# KiCad board The Typeuwu.kicad_pcb (continued)
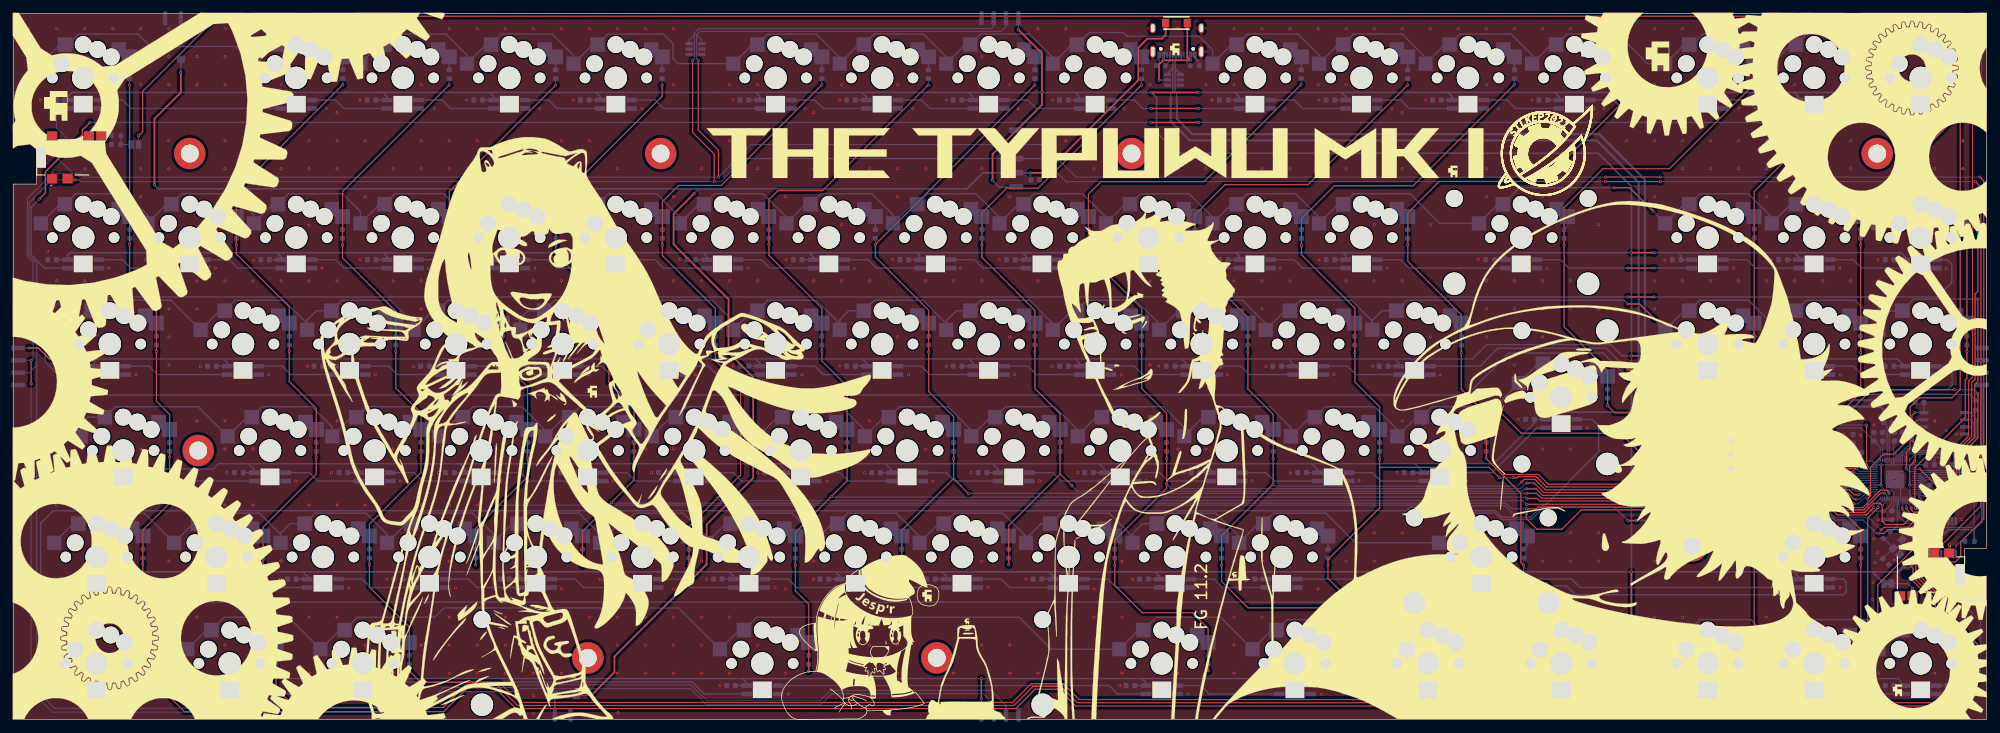
[diagram p0: board, top side]
## Library data of the parts
C1 C2 C101-C172 C190-C199 C1100-C1105 = -: Description: Unpolarized capacitor, small symbol
C3-C17 = -: Description: Unpolarized capacitor
D01 D02 D03 = -: Description: Schottky diode
D1-D72 D90-D105 = -: Description: Diode, small symbol; Sim.Device: D; Sim.Pins: 1=K 2=A
DL1 DL2 = -: Description: Light emitting diode
H1-H8 = -: Description: Mounting Hole without connection
IC1 = -: Description: Automotive 4-Bit Bidirectional Multi-Voltage Level Translator for Open-Drain or Push- Pull Interface; Height: 1.2; Manufacturer_Name: Texas Instruments; Mouser Part Number: 595-LSF0204QPWRQ1; Mouser Price/Stock: https://www.mouser.co.uk/ProductDetail/Texas-Instruments/LSF0204QPWRQ1?qs=w%2Fv1CP2dgqqt88p%2F1xId1A%3D%3D
J1 = -: Description: USB 2.0-only Type-C Receptacle connector
J2 = -: Description: Generic connector, single row, 01x03, script generated (kicad-library-utils/schlib/autogen/connector/)
J3-J6 = -: Description: Generic connector, single row, 01x04, script generated (kicad-library-utils/schlib/autogen/connector/)
J7 = -: Description: Generic connector, single row, 01x05, script generated (kicad-library-utils/schlib/autogen/connector/)
J8 J9 = -: Description: Generic connector, single row, 01x02, script generated (kicad-library-utils/schlib/autogen/connector/)
JP1 JP3 = -: Description: Solder Jumper, 2-pole, closed/bridged
JP2 JP4 = -: Description: Solder Jumper, 2-pole, open
R1-R21 = -: Description: Resistor
S1 S2 = -: Description: Phone Connectors 3.5mm Audio Jack SMT 4conductr Tip switc-1; Height: 4.15; Manufacturer_Name: CUI Inc.; Mouser Part Number: 490-SJ2-35954BSMT-TR; Mouser Price/Stock: https://www.mouser.co.uk/ProductDetail/CUI-Devices/SJ2-35954B-SMT-TR?qs=DXv0QSHKF4xFg%252BzFD15Yig%3D%3D
SW1 SW2 = -: Description: Push button switch, generic, two pins
U73 U74 = -: Description: ESD Protection Diodes with Low Clamping Voltage, SOT-23-6
U201 = -: Description: A microcontroller by Raspberry Pi
U202 = -: Description: 128Mb Serial Flash Memory, Standard/Dual/Quad SPI, SOIC-8
U203 = -: Description: 600mA low dropout linear regulator, with enable pin, 3.8V-6V input voltage range, 3.3V fixed positive output, SOT-23-5
Y1 = -: Description: Four pin crystal, GND on pins 2 and 4

## Footprints (pads in the part's own frame, mm; a bottom-side part is the same pattern mirrored in y, then rotated)
C_0603_1608Metric
  rrect 0.9x0.95 smd: 1(-0.775,0) 2(0.775,0)
CD214A-B240LR
  rect 1.27x1.47 smd: 1(-1.935,0) 2(1.935,0)
D_0603_1608Metric
  rrect 0.875x0.95 smd: 1(-0.787,0) 2(0.787,0)
Harwin_M20-89005xx_1x05_P2.54mm_Horizontal
  rect 6x0.76 smd: (3.895,5.08)
  rect 2.5x1 smd: 1(-5.525,5.08) 2(-5.525,2.54) 3(-5.525,0) 4(-5.525,-2.54) 5(-5.525,-5.08)
MountingHole_3.2mm_M3_DIN965_Pad
  round 5.6 hole 3.2: 1(0,0)
Multi Hotswap with RGB 1,5U
  round 1.9 hole 1.9 unplated: (-5.5,0) (5.5,0)
  round 3 hole 3 unplated: (-3.81,2.54) (0,5.95) (2.54,5.08) (5,3.75)
  round 3.99 hole 3.99 unplated: (0,0)
  rect 2.54x2.54 smd far side: 1(-7.56,2.54)
  rect 2.6x2.6 smd far side: 1(-3.275,5.95) 2(8.275,3.75)
  custom 4.565x3.91 smd far side: 2(6.3,5.05)
  rect 1.9x0.82 smd far side: 3(2.8,-3.95) 4(2.8,-5.45) 5(-2.8,-5.45) 6(-2.8,-3.95)
Multi Hotswap with RGB 1,25U
  round 1.9 hole 1.9 unplated: (-5.5,0) (5.5,0)
  round 3 hole 3 unplated: (-3.81,2.54) (0,5.95) (2.54,5.08) (5,3.75)
  round 3.99 hole 3.99 unplated: (0,0)
  rect 2.54x2.54 smd far side: 1(-7.56,2.54)
  rect 2.6x2.6 smd far side: 1(-3.275,5.95) 2(8.275,3.75)
  custom 4.565x3.91 smd far side: 2(6.3,5.05)
  rect 1.9x0.82 smd far side: 3(2.8,-3.95) 4(2.8,-5.45) 5(-2.8,-5.45) 6(-2.8,-3.95)
Multi Hotswap with RGB 1,75U
  round 1.9 hole 1.9 unplated: (-5.5,0) (5.5,0)
  round 3 hole 3 unplated: (-3.81,2.54) (0,5.95) (2.54,5.08) (5,3.75)
  round 3.99 hole 3.99 unplated: (0,0)
  rect 2.54x2.54 smd far side: 1(-7.56,2.54)
  rect 2.6x2.6 smd far side: 1(-3.275,5.95) 2(8.275,3.75)
  custom 4.565x3.91 smd far side: 2(6.3,5.05)
  rect 1.9x0.82 smd far side: 3(2.8,-3.95) 4(2.8,-5.45) 5(-2.8,-5.45) 6(-2.8,-3.95)
Multi Hotswap with RGB 1U
  round 1.9 hole 1.9 unplated: (-5.5,0) (5.5,0)
  round 3 hole 3 unplated: (-3.81,2.54) (0,5.95) (2.54,5.08) (5,3.75)
  round 3.99 hole 3.99 unplated: (0,0)
  rect 2.54x2.54 smd far side: 1(-7.56,2.54)
  rect 2.6x2.6 smd far side: 1(-3.275,5.95) 2(8.275,3.75)
  custom 4.565x3.91 smd far side: 2(6.3,5.05)
  rect 1.9x0.82 smd far side: 3(2.8,-3.95) 4(2.8,-5.45) 5(-2.8,-5.45) 6(-2.8,-3.95)
Multi Hotswap with RGB 2,75U
  round 1.9 hole 1.9 unplated: (-5.5,0) (5.5,0)
  round 3 hole 3 unplated: (-3.81,2.54) (0,5.95) (2.54,5.08) (5,3.75)
  round 3.99 hole 3.99 unplated: (0,0)
  rect 2.54x2.54 smd far side: 1(-7.56,2.54)
  rect 2.6x2.6 smd far side: 1(-3.275,5.95) 2(8.275,3.75)
  custom 4.565x3.91 smd far side: 2(6.3,5.05)
  rect 1.9x0.82 smd far side: 3(2.8,-3.95) 4(2.8,-5.45) 5(-2.8,-5.45) 6(-2.8,-3.95)
Multi Hotswap with RGB 2U
  round 1.9 hole 1.9 unplated: (-5.5,0) (5.5,0)
  round 3 hole 3 unplated: (-3.81,2.54) (0,5.95) (2.54,5.08) (5,3.75)
  round 3.99 hole 3.99 unplated: (0,0)
  rect 2.54x2.54 smd far side: 1(-7.56,2.54)
  rect 2.6x2.6 smd far side: 1(-3.275,5.95) 2(8.275,3.75)
  custom 4.565x3.91 smd far side: 2(6.3,5.05)
  rect 1.9x0.82 smd far side: 3(2.8,-3.95) 4(2.8,-5.45) 5(-2.8,-5.45) 6(-2.8,-3.95)
Multi Hotswap with RGB 6,25U
  round 1.9 hole 1.9 unplated: (-5.5,0) (5.5,0)
  round 3 hole 3 unplated: (-3.81,2.54) (0,5.95) (2.54,5.08) (5,3.75)
  round 3.99 hole 3.99 unplated: (0,0)
  rect 2.54x2.54 smd far side: 1(-7.56,2.54)
  rect 2.6x2.6 smd far side: 1(-3.275,5.95) 2(8.275,3.75)
  custom 4.565x3.91 smd far side: 2(6.3,5.05)
  rect 1.9x0.82 smd far side: 3(2.8,-3.95) 4(2.8,-5.45) 5(-2.8,-5.45) 6(-2.8,-3.95)
Multi Hotswap with RGB ISO Enter
  round 3.05 hole 3.05 unplated: (-7,11.9) (-7,-11.9)
  round 1.9 hole 1.9 unplated: (-5.5,0) (5.5,0)
  round 3 hole 3 unplated: (-3.81,2.54) (0,5.95) (2.54,5.08) (5,3.75)
  round 4 hole 4 unplated: (0,0) (8.24,11.9) (8.24,-11.9)
  rect 2.54x2.54 smd far side: 1(-7.56,2.54)
  rect 2.6x2.6 smd far side: 1(-3.275,5.95) 2(8.275,3.75)
  custom 4.565x3.91 smd far side: 2(6.3,5.05)
  rect 1.9x0.82 smd far side: 3(2.8,-3.95) 4(2.8,-5.45) 5(-2.8,-5.45) 6(-2.8,-3.95)
NX3225SA12MHZSTDCSR3
  rect 1.4x1.2 smd: 1(-1.1,-0.8) 2(1.1,-0.8) 3(1.1,0.8) 4(-1.1,0.8)
PinHeader_1x03_P2.54mm_Vertical
  rect 1.7x1.7 hole 1: 1(0,0)
  oval 1.7x1.7 hole 1: 2(0,-2.54) 3(0,-5.08)
POGO Magnetic 2 Pin 2,8mm Horizontal
  rrect 2.5x0.8 smd: 1(-0.5,-1.4) 2(-0.5,1.4)
POGO Magnetic 4 Pin 2,2mm Horizontal
  rrect 2.5x0.8 smd: 1(0.25,-3.3) 2(0.25,-1.1) 3(0.25,1.1) 4(0.25,3.3)
PTS636SP50SMTRLFS
  rect 2x1.5 smd: 1(-4.1,0) 2(4.1,0)
QFN-56-1EP_7x7mm_P0.4mm_EP3.2x3.2mm
  rrect 1.29x1.29 smd: (-0.8,-0.8) (-0.8,0.8) (0.8,-0.8) (0.8,0.8)
  rrect 0.875x0.2 smd: 1(-3.438,2.6) 2(-3.438,2.2) 3(-3.438,1.8) 4(-3.438,1.4) 5(-3.438,1) 6(-3.438,0.6) 7(-3.438,0.2) 8(-3.438,-0.2) 9(-3.438,-0.6) 10(-3.438,-1) 11(-3.438,-1.4) 12(-3.438,-1.8) 13(-3.438,-2.2) 14(-3.438,-2.6) 29(3.438,-2.6) 30(3.438,-2.2) 31(3.438,-1.8) 32(3.438,-1.4) 33(3.438,-1) 34(3.438,-0.6) 35(3.438,-0.2) 36(3.438,0.2) 37(3.438,0.6) 38(3.438,1) 39(3.438,1.4) 40(3.438,1.8) 41(3.438,2.2) 42(3.438,2.6)
  rrect 0.2x0.875 smd: 15(-2.6,-3.438) 16(-2.2,-3.438) 17(-1.8,-3.438) 18(-1.4,-3.438) 19(-1,-3.438) 20(-0.6,-3.438) 21(-0.2,-3.438) 22(0.2,-3.438) 23(0.6,-3.438) 24(1,-3.438) 25(1.4,-3.438) 26(1.8,-3.438) 27(2.2,-3.438) 28(2.6,-3.438) 43(2.6,3.438) 44(2.2,3.438) 45(1.8,3.438) 46(1.4,3.438) 47(1,3.438) 48(0.6,3.438) 49(0.2,3.438) 50(-0.2,3.438) 51(-0.6,3.438) 52(-1,3.438) 53(-1.4,3.438) 54(-1.8,3.438) 55(-2.2,3.438) 56(-2.6,3.438)
  rect 3.2x3.2 smd: 57(0,0)
R_0603_1608Metric
  rrect 0.8x0.95 smd: 1(-0.825,0) 2(0.825,0)
SJ235954BSMTTR
  round 0.001 hole 1.3 unplated: (5.35,0)
  rect 1.8x1.65 smd: 1(-2.45,-3.825) 2(4.1,3.825) 3(0.3,-3.825) 4(-2.45,3.825) 10(6.3,3.825)
SOIC-8_5.23x5.23mm_P1.27mm
  rrect 1.6x0.6 smd: 1(-3.6,1.905) 2(-3.6,0.635) 3(-3.6,-0.635) 4(-3.6,-1.905) 5(3.6,-1.905) 6(3.6,-0.635) 7(3.6,0.635) 8(3.6,1.905)
SolderJumper-2_P1.3mm_Bridged_Pad1.0x1.5mm
  rect 1x1.5 smd: 1(-0.65,0) 2(0.65,0)
SolderJumper-2_P1.3mm_Open_Pad1.0x1.5mm
  rect 1x1.5 smd: 1(-0.65,0) 2(0.65,0)
SOP65P640X120-14N
  rect 1.475x0.45 smd: 1(-2.938,1.95) 2(-2.938,1.3) 3(-2.938,0.65) 4(-2.938,0) 5(-2.938,-0.65) 6(-2.938,-1.3) 7(-2.938,-1.95) 8(2.938,-1.95) 9(2.938,-1.3) 10(2.938,-0.65) 11(2.938,0) 12(2.938,0.65) 13(2.938,1.3) 14(2.938,1.95)
SOT-23-5
  rrect 1.325x0.6 smd: 1(-1.137,0.95) 2(-1.137,0) 3(-1.137,-0.95) 4(1.137,-0.95) 5(1.137,0.95)
SOT-23-6
  rrect 1.325x0.6 smd: 1(-1.137,0.95) 2(-1.137,0) 3(-1.137,-0.95) 4(1.137,-0.95) 5(1.137,0) 6(1.137,0.95)
Stabilizer_Cherry_MX_2.00u
  round 3.048 hole 3.048 unplated: (-11.938,6.985) (11.938,6.985)
  round 3.988 hole 3.988 unplated: (-11.938,-8.225) (11.938,-8.225)
Stabilizer_Cherry_MX_6.25u
  round 3.048 hole 3.048 unplated: (-50,6.985) (50,6.985)
  round 3.988 hole 3.988 unplated: (-50,-8.225) (50,-8.225)
USB_C_Receptacle_GCT_USB4105-xx-A_16P_TopMnt_Horizontal
  round 0.65 hole 0.65 unplated: (-2.89,2.605) (2.89,2.605)
  rect 0.6x1.15 smd: A1(-3.2,3.68) A4(-2.4,3.68) A9(2.4,3.68) A12(3.2,3.68) B1(3.2,3.68) B4(2.4,3.68) B9(-2.4,3.68) B12(-3.2,3.68)
  rect 0.3x1.15 smd: A5(-1.25,3.68) A6(-0.25,3.68) A7(0.25,3.68) A8(1.25,3.68) B5(1.75,3.68) B6(0.75,3.68) B7(-0.75,3.68) B8(-1.75,3.68)
  oval 1x1.8 hole 0.6x1.4: S1(-4.32,-1.075) S1(4.32,-1.075)
  oval 1x2.1 hole 0.6x1.7: S1(-4.32,3.105) S1(4.32,3.105)

## Nets
5V_USB: C15.1 D01.1 D02.1 D03.1 J7.4
+1V1: C3.1 C4.1 C5.1 U201.23 U201.45 U201.50
+3V3: C6.1 C7.1 C8.1 C9.1 C10.1 C11.1 C12.1 C13.1 C14.1 C16.1 DL2.2 IC1.1 R2.1 R8.1 R17.1 R18.1 U201.1 U201.10 U201.22 U201.33 U201.42 U201.43 U201.44 U201.48 U201.49 U202.8 U203.5
+5V: C17.1 C101.1 C102.1 C103.1 C104.1 C105.1 C106.1 C107.1 C108.1 C109.1 C110.1 C111.1 C112.1 C113.1 C114.1 C115.1 C116.1 C117.1 C118.1 C119.1 C120.1 C121.1 C122.1 C123.1 C124.1 C125.1 C126.1 C127.1 C128.1 C129.1 C130.1 C131.1 C132.1 C133.1 C134.1 C135.1 C136.1 C137.1 C138.1 C139.1 C140.1 C141.1 C142.1 C143.1 C144.1 C145.1 C146.1 C147.1 C148.1 C149.1 C150.1 C151.1 C152.1 C153.1 C154.1 C155.1 C156.1 C157.1 C158.1 C159.1 C160.1 C161.1 C162.1 C163.1 C164.1 C165.1 C166.1 C167.1 C168.1 C169.1 C170.1 C171.1 C172.1 C190.1 C191.1 C192.1 C193.1 C194.1 C195.1 C196.1 C197.1 C198.1 C199.1 C1100.1 C1101.1 C1102.1 C1103.1 C1104.1 C1105.1 DL1.2 IC1.14 J3.4 J4.4 J5.4 J6.4 J7.5 JP1.2 JP3.2 R9.1 R19.1 R20.1 R21.1 U1.6 U2.6 U3.6 U4.6 U5.6 U6.6 U7.6 U8.6 U9.6 U10.6 U11.6 U12.6 U13.6 U14.6 U15.6 U16.6 U17.6 U18.6 U19.6 U20.6 U21.6 U22.6 U23.6 U24.6 U25.6 U26.6 U27.6 U28.6 U29.6 U30.6 U31.6 U32.6 U33.6 U34.6 U35.6 U36.6 U37.6 U38.6 U39.6 U40.6 U41.6 U42.6 U43.6 U44.6 U45.6 U46.6 U47.6 U48.6 U49.6 U50.6 U51.6 U52.6 U53.6 U54.6 U55.6 U56.6 U57.6 U58.6 U59.6 U60.6 U61.6 U62.6 U63.6 U64.6 U65.6 U66.6 U67.6 U68.6 U69.6 U70.6 U71.6 U72.6 U90.6 U91.6 U92.6 U93.6 U94.6 U95.6 U96.6 U97.6 U98.6 U99.6 U100.6 U101.6 U102.6 U103.6 U104.6 U105.6 U203.1
/Controller/VBUS: D01.2 J1.A4 J1.A9 J1.B4 J1.B9 U73.5
GND: C1.1 C2.1 C3.2 C4.2 C5.2 C6.2 C7.2 C8.2 C9.2 C10.2 C11.2 C12.2 C13.2 C14.2 C15.2 C16.2 C17.2 C101.2 C102.2 C103.2 C104.2 C105.2 C106.2 C107.2 C108.2 C109.2 C110.2 C111.2 C112.2 C113.2 C114.2 C115.2 C116.2 C117.2 C118.2 C119.2 C120.2 C121.2 C122.2 C123.2 C124.2 C125.2 C126.2 C127.2 C128.2 C129.2 C130.2 C131.2 C132.2 C133.2 C134.2 C135.2 C136.2 C137.2 C138.2 C139.2 C140.2 C141.2 C142.2 C143.2 C144.2 C145.2 C146.2 C147.2 C148.2 C149.2 C150.2 C151.2 C152.2 C153.2 C154.2 C155.2 C156.2 C157.2 C158.2 C159.2 C160.2 C161.2 C162.2 C163.2 C164.2 C165.2 C166.2 C167.2 C168.2 C169.2 C170.2 C171.2 C172.2 C190.2 C191.2 C192.2 C193.2 C194.2 C195.2 C196.2 C197.2 C198.2 C199.2 C1100.2 C1101.2 C1102.2 C1103.2 C1104.2 C1105.2 IC1.7 J1.A1 J1.A12 J1.B1 J1.B12 J1.S1 J2.2 J3.1 J4.1 J5.1 J6.1 J7.1 J8.1 J9.1 R6.2 R7.2 R10.2 R11.2 R13.1 R16.1 S1.1 S2.1 SW1.1 SW2.1 U1.4 U2.4 U3.4 U4.4 U5.4 U6.4 U7.4 U8.4 U9.4 U10.4 U11.4 U12.4 U13.4 U14.4 U15.4 U16.4 U17.4 U18.4 U19.4 U20.4 U21.4 U22.4 U23.4 U24.4 U25.4 U26.4 U27.4 U28.4 U29.4 U30.4 U31.4 U32.4 U33.4 U34.4 U35.4 U36.4 U37.4 U38.4 U39.4 U40.4 U41.4 U42.4 U43.4 U44.4 U45.4 U46.4 U47.4 U48.4 U49.4 U50.4 U51.4 U52.4 U53.4 U54.4 U55.4 U56.4 U57.4 U58.4 U59.4 U60.4 U61.4 U62.4 U63.4 U64.4 U65.4 U66.4 U67.4 U68.4 U69.4 U70.4 U71.4 U72.4 U73.2 U90.4 U91.4 U92.4 U93.4 U94.4 U95.4 U96.4 U97.4 U98.4 U99.4 U100.4 U101.4 U102.4 U103.4 U104.4 U105.4 U201.19 U201.57 U202.4 U203.2 Y1.2 Y1.4
/Controller/QSPI_SCLK: U201.52 U202.6
/Controller/QSPI_SD0: U201.53 U202.5
/Controller/QSPI_SD1: U201.55 U202.2
/Controller/QSPI_SD2: U201.54 U202.3
/Controller/QSPI_SD3: U201.51 U202.7
/Controller/QSPI_SS: R2.2 R3.2 U201.56 U202.1
/Controller/RUN: R8.2 SW2.2 U201.26
/Controller/SWCLK: J2.1 U201.24
/Controller/SWD: J2.3 U201.25
/Controller/~{USB_BOOT}: R3.1 SW1.2
COL1: D1.1 D15.1 D29.1 D42.1 D55.1 D90.1 U201.13
COL2: D2.1 D16.1 D30.1 D43.1 D56.1 D91.1 U201.14
COL3: D3.1 D17.1 D31.1 D44.1 D57.1 D92.1 U201.27
COL4: D4.1 D18.1 D32.1 D45.1 D93.1 U201.30
COL5: D5.1 D19.1 D33.1 D46.1 D94.1 U201.31
COL6: D6.1 D20.1 D34.1 D47.1 D95.1 U201.32
COL7: D7.1 D21.1 D35.1 D48.1 D58.1 D96.1 U201.34
COL8: D8.1 D22.1 D36.1 D49.1 D97.1 U201.35
COL9: D9.1 D23.1 D37.1 D50.1 D98.1 U201.36
COL10: D10.1 D24.1 D38.1 D51.1 D59.1 D99.1 U201.37
COL11: D11.1 D25.1 D39.1 D52.1 D60.1 D100.1 U201.38
COL12: D12.1 D26.1 D40.1 D53.1 D61.1 D101.1 U201.39
COL13: D13.1 D27.1 D41.1 D54.1 D62.1 D102.1 U201.40
COL14: D14.1 D28.1 D103.1 U201.41
COL15: D63.1 D66.1 D70.1 D104.1 U201.18
COL16: D64.1 D67.1 D69.1 D71.1 D105.1 U201.28
COL17: D65.1 D68.1 D72.1 U201.15
DIN: IC1.11 R14.2
DIN_3V3: IC1.4 U201.3
I2C0_SCL: IC1.13 J3.3 J4.3 J5.3 J6.3 J7.2 R19.2 S1.4 S2.4 U74.1
I2C0_SCL_3V3: IC1.2 R17.2 U201.7
I2C0_SDA: IC1.12 J3.2 J4.2 J5.2 J6.2 J7.3 R20.2 S1.3 S2.3 U74.6
I2C0_SDA_3V3: IC1.3 R18.2 U201.6
OUT1_FLAG: JP2.2 U201.5
OUT2_FLAG: JP4.2 U201.4
ROW1: U90.1 U91.1 U92.1 U93.1 U94.1 U95.1 U96.1 U97.1 U98.1 U99.1 U100.1 U101.1 U102.1 U103.1 U104.1 U105.1 U201.8
ROW2: U1.1 U2.1 U3.1 U4.1 U5.1 U6.1 U7.1 U8.1 U9.1 U10.1 U11.1 U12.1 U13.1 U14.1 U63.1 U64.1 U65.1 U201.9
ROW3: U15.1 U16.1 U17.1 U18.1 U19.1 U20.1 U21.1 U22.1 U23.1 U24.1 U25.1 U26.1 U27.1 U66.1 U67.1 U68.1 U201.11
ROW4: U28.1 U29.1 U30.1 U31.1 U32.1 U33.1 U34.1 U35.1 U36.1 U37.1 U38.1 U39.1 U40.1 U41.1 U201.12
ROW5: U42.1 U43.1 U44.1 U45.1 U46.1 U47.1 U48.1 U49.1 U50.1 U51.1 U52.1 U53.1 U54.1 U69.1 U201.17
ROW6: U55.1 U56.1 U57.1 U58.1 U59.1 U60.1 U61.1 U62.1 U70.1 U71.1 U72.1 U201.16
USBD+: J1.A6 J1.B6 R4.1 U73.1
USBD-: J1.A7 J1.B7 R5.1 U73.6
Net-(C1-Pad2): C1.2 R1.1 Y1.1
Net-(D1-A): D1.2 U1.2
Net-(D2-A): D2.2 U2.2
Net-(D02-A): D02.2 J8.2
Net-(D3-A): D3.2 U3.2
Net-(D03-A): D03.2 J9.2
Net-(D4-A): D4.2 U4.2
Net-(D5-A): D5.2 U5.2
Net-(D6-A): D6.2 U6.2
Net-(D7-A): D7.2 U7.2
Net-(D8-A): D8.2 U8.2
Net-(D9-A): D9.2 U9.2
Net-(D10-A): D10.2 U10.2
Net-(D11-A): D11.2 U11.2
Net-(D12-A): D12.2 U12.2
Net-(D13-A): D13.2 U13.2
Net-(D14-A): D14.2 U14.2
Net-(D15-A): D15.2 U15.2
Net-(D16-A): D16.2 U16.2
Net-(D17-A): D17.2 U17.2
Net-(D18-A): D18.2 U18.2
Net-(D19-A): D19.2 U19.2
Net-(D20-A): D20.2 U20.2
Net-(D21-A): D21.2 U21.2
Net-(D22-A): D22.2 U22.2
Net-(D23-A): D23.2 U23.2
Net-(D24-A): D24.2 U24.2
Net-(D25-A): D25.2 U25.2
Net-(D26-A): D26.2 U26.2
Net-(D27-A): D27.2 U27.2
Net-(D28-A): D28.2 U28.2
Net-(D29-A): D29.2 U29.2
Net-(D30-A): D30.2 U30.2
Net-(D31-A): D31.2 U31.2
Net-(D32-A): D32.2 U32.2
Net-(D33-A): D33.2 U33.2
Net-(D34-A): D34.2 U34.2
Net-(D35-A): D35.2 U35.2
Net-(D36-A): D36.2 U36.2
Net-(D37-A): D37.2 U37.2
Net-(D38-A): D38.2 U38.2
Net-(D39-A): D39.2 U39.2
Net-(D40-A): D40.2 U40.2
Net-(D41-A): D41.2 U41.2
Net-(D42-A): D42.2 U42.2
Net-(D43-A): D43.2 U43.2
Net-(D44-A): D44.2 U44.2
Net-(D45-A): D45.2 U45.2
Net-(D46-A): D46.2 U46.2
Net-(D47-A): D47.2 U47.2
Net-(D48-A): D48.2 U48.2
Net-(D49-A): D49.2 U49.2
Net-(D50-A): D50.2 U50.2
Net-(D51-A): D51.2 U51.2
Net-(D52-A): D52.2 U52.2
Net-(D53-A): D53.2 U53.2
Net-(D54-A): D54.2 U54.2
Net-(D55-A): D55.2 U55.2
Net-(D56-A): D56.2 U56.2
Net-(D57-A): D57.2 U57.2
Net-(D58-A): D58.2 U58.2
Net-(D59-A): D59.2 U59.2
Net-(D60-A): D60.2 U60.2
Net-(D61-A): D61.2 U61.2
Net-(D62-A): D62.2 U62.2
Net-(D63-A): D63.2 U63.2
Net-(D64-A): D64.2 U64.2
Net-(D65-A): D65.2 U65.2
Net-(D66-A): D66.2 U66.2
Net-(D67-A): D67.2 U67.2
Net-(D68-A): D68.2 U68.2
Net-(D69-A): D69.2 U69.2
Net-(D70-A): D70.2 U70.2
Net-(D71-A): D71.2 U71.2
Net-(D72-A): D72.2 U72.2
Net-(D90-A): D90.2 U90.2
Net-(D91-A): D91.2 U91.2
Net-(D92-A): D92.2 U92.2
Net-(D93-A): D93.2 U93.2
Net-(D94-A): D94.2 U94.2
Net-(D95-A): D95.2 U95.2
Net-(D96-A): D96.2 U96.2
Net-(D97-A): D97.2 U97.2
Net-(D98-A): D98.2 U98.2
Net-(D99-A): D99.2 U99.2
Net-(D100-A): D100.2 U100.2
Net-(D101-A): D101.2 U101.2
Net-(D102-A): D102.2 U102.2
Net-(D103-A): D103.2 U103.2
Net-(D104-A): D104.2 U104.2
Net-(D105-A): D105.2 U105.2
Net-(DL1-K): DL1.1 R10.1
Net-(DL2-K): DL2.1 R11.1
Net-(IC1-EN): IC1.8 R21.2
Net-(J1-CC1): J1.A5 R6.1
Net-(J1-CC2): J1.B5 R7.1
Net-(JP1-A): JP1.1 S1.2
Net-(JP2-A): JP2.1 R12.2 R13.2
Net-(JP3-A): JP3.1 S2.2
Net-(JP4-A): JP4.1 R15.2 R16.2
Net-(S1-TIP_SWITCH): R12.1 S1.10
Net-(S2-TIP_SWITCH): R15.1 S2.10
Net-(U1-Din): U1.3 U2.5
Net-(U1-Dout): U1.5 U105.3
Net-(U2-Din): U2.3 U3.5
Net-(U3-Din): U3.3 U4.5
Net-(U4-Din): U4.3 U5.5
Net-(U5-Din): U5.3 U6.5
Net-(U6-Din): U6.3 U7.5
Net-(U7-Din): U7.3 U8.5
Net-(U8-Din): U8.3 U9.5
Net-(U10-Din): U10.3 U11.5
Net-(U10-Dout): U9.3 U10.5
Net-(U11-Din): U11.3 U12.5
Net-(U12-Din): U12.3 U13.5
Net-(U13-Din): U13.3 U14.5
Net-(U14-Din): U14.3 U63.5
Net-(U15-Din): U15.3 U16.5
Net-(U15-Dout): U15.5 U65.3
Net-(U16-Din): U16.3 U17.5
Net-(U17-Din): U17.3 U18.5
Net-(U18-Din): U18.3 U19.5
Net-(U19-Din): U19.3 U20.5
Net-(U20-Din): U20.3 U21.5
Net-(U21-Din): U21.3 U22.5
Net-(U22-Din): U22.3 U23.5
Net-(U23-Din): U23.3 U24.5
Net-(U24-Din): U24.3 U25.5
Net-(U25-Din): U25.3 U26.5
Net-(U26-Din): U26.3 U27.5
Net-(U27-Din): U27.3 U66.5
Net-(U28-Din): U28.3 U42.5
Net-(U28-Dout): U28.5 U41.3
Net-(U29-Din): U29.3 U30.5
Net-(U29-Dout): U29.5 U68.3
Net-(U30-Din): U30.3 U31.5
Net-(U31-Din): U31.3 U32.5
Net-(U32-Din): U32.3 U33.5
Net-(U33-Din): U33.3 U34.5
Net-(U34-Din): U34.3 U35.5
Net-(U35-Din): U35.3 U36.5
Net-(U36-Din): U36.3 U37.5
Net-(U37-Din): U37.3 U38.5
Net-(U38-Din): U38.3 U39.5
Net-(U39-Din): U39.3 U40.5
Net-(U40-Din): U40.3 U41.5
Net-(U42-Din): U42.3 U43.5
Net-(U43-Din): U43.3 U44.5
Net-(U44-Din): U44.3 U45.5
Net-(U45-Din): U45.3 U46.5
Net-(U46-Din): U46.3 U47.5
Net-(U47-Din): U47.3 U48.5
Net-(U48-Din): U48.3 U49.5
Net-(U49-Din): U49.3 U50.5
Net-(U50-Din): U50.3 U51.5
Net-(U51-Din): U51.3 U52.5
Net-(U52-Din): U52.3 U53.5
Net-(U53-Din): U53.3 U54.5
Net-(U54-Din): U54.3 U69.5
Net-(U55-Din): U55.3 U56.5
Net-(U55-Dout): U55.5 U69.3
Net-(U56-Din): U56.3 U57.5
Net-(U57-Din): U57.3 U58.5
Net-(U58-Din): U58.3 U59.5
Net-(U59-Din): U59.3 U60.5
Net-(U60-Din): U60.3 U61.5
Net-(U61-Din): U61.3 U62.5
Net-(U62-Din): U62.3 U70.5
Net-(U63-Din): U63.3 U64.5
Net-(U64-Din): U64.3 U65.5
Net-(U66-Din): U66.3 U67.5
Net-(U67-Din): U67.3 U68.5
Net-(U70-Din): U70.3 U71.5
Net-(U71-Din): U71.3 U72.5
Net-(U72-Din): R14.1 U72.3
Net-(U90-Din): U90.3 U91.5
Net-(U91-Din): U91.3 U92.5
Net-(U92-Din): U92.3 U93.5
Net-(U93-Din): U93.3 U94.5
Net-(U94-Din): U94.3 U95.5
Net-(U95-Din): U95.3 U96.5
Net-(U96-Din): U96.3 U97.5
Net-(U97-Din): U97.3 U98.5
Net-(U98-Din): U98.3 U99.5
Net-(U100-Din): U100.3 U101.5
Net-(U100-Dout): U99.3 U100.5
Net-(U101-Din): U101.3 U102.5
Net-(U102-Din): U102.3 U103.5
Net-(U103-Din): U103.3 U104.5
Net-(U104-Din): U104.3 U105.5
Net-(U201-USB_DM): R5.2 U201.46
Net-(U201-USB_DP): R4.2 U201.47
Net-(U201-XIN): C2.2 U201.20 Y1.3
Net-(U201-XOUT): R1.2 U201.21
Net-(U203-EN): R9.2 U203.3

Pads without a net: H1 1; H2 1; H3 1; H4 1; H5 1; H6 1; H7 1; H8 1; IC1 5 6 9 10; J1 A8 B8; U73 3 4; U74 2 3 4 5; U90 5; U201 2 29; U203 4

## Via types
v1: diameter 0.5, hole 0.3, Top to Bottom, 888 vias

## Routing (per net, layer and track width the routed paths; a pad name or vN(x,y) marks a point on that pad's centre or on a via; arc(x,y) is an arc through that point)
5V_USB: length 336
  Top w0.3: D01.1 205.56,122.16 204.9,121.5 202.3,121.5 200.7,119.9 200.7,114.1 184.16,97.56 v1(181.46,97.56) ; v1(29.9,115.5) 29.9,111.9 25.2,107.2 v1(25.2,95.4) ; v1(121.5,93.9) 117.8,90.2 117.8,84.8 127.6,75 127.6,65.5 132,61.1 132,43.1 123.7,34.8 123.7,27.7 107.25,11.25 107.25,8.45 v1(103.1,4.3)
  Bottom w0.2: D03.1 v1(103.1,4.3)
  Bottom w0.3: C15.1 181.46,96.36 v1(181.46,97.56) J7.4 172.96,97.56 170.1,94.7 25.9,94.7 v1(25.2,95.4) ; D02.1 v1(29.9,115.5) ; v1(121.5,93.9) 122.3,94.7
+1V1: length 30
  Top w0.2: v1(330.8,39.43) 331.3,39.93 331.3,45 v1(333.65,47.35) 335.45,47.35 v1(337.8,49.7)
  Bottom w0.2: v1(337.8,49.7) C4.1 337.05,48.98 335.85,47.77 U201.50 ; C3.1 333.48,47.52 333.85,47.15 U201.45 ; U201.23 335.05,38.45 333.8,37.2 C5.1 331.45,37.2 330.8,37.85 v1(330.8,39.43)
+3V3: length 117.7
  Top w0.2: v1(333.2,45.45) 333.2,41.88 v1(333.18,41.85) ; v1(298.5,50.8) v1(298.5,52.05) ; v1(338.3,41.85) 338.3,45.25 v1(339.1,46.05) 339.25,46.2 339.25,49.2 338.7,49.75 338.7,54.25 v1(339.23,54.77)
  Bottom w0.2: C16.1 329.73,46.12 331.57,46.12 332.21,45.49 U201.42 ; U201.42 U201.43 ; U201.42 v1(333.2,45.45) 335.25,45.45 ; U201.43 U201.44 ; U201.43 333.05,48.55 C6.1 329.58,52.02 310.5,52.02 310.47,52.05 v1(298.5,52.05) ; U201.1 C12.1 341.15,46.15 341.8,46.8 343.6,46.8 344.18,46.23 R2.1 ; U201.1 339.1,45.46 v1(339.1,46.05) ; U201.1 335.25,45.45 ; C9.1 335.45,49.6 U201.49 335.45,45.65 335.25,45.45 ; 335.25,45.45 335.05,45.65 U201.48 ; v1(339.23,54.77) 340.83,54.77 U202.8 340.82,54.78 C14.1 ; C11.1 U201.10 v1(338.3,41.85) 338.3,40.19 340.7,37.79 R8.1 342.5,37.27 R18.1 ; R18.1 R17.1 ; R18.1 342.6,37.17 IC1.1 ; C8.1 335.12,37.83 335.45,38.15 U201.22 335.45,40.45 335,40.9 333.9,40.9 333.18,41.62 v1(333.18,41.85) U201.33 331.35,41.85 330.8,41.3 330.09,41.3 329.49,40.7 328.88,40.7 C13.1 ; v1(298.5,50.8) DL2.2
  Bottom w0.25: C16.1 328.18,49.3 ; U203.5 328.15,47.65
+5V: length 2569.1
  Top w0.25: v1(13.55,64.35) 6.45,64.35 4.5,66.3 v1(2.8,66.3) ; v1(288.65,64.9) v1(292.75,64.9) ; v1(172.7,7.3) v1(172.7,3.7)
  Top w0.3: v1(288.65,26.35) v1(288.65,7.35) ; v1(288.65,83.3) v1(292.75,83.3) ; v1(174.7,96.2) 174.7,100.87 183.5,109.67 v1(183.5,111.9) 183.5,118.9 v1(179.3,123.1) ; v1(211.4,111.9) v1(203.05,111.9)
  Bottom w0.2: JP3.2 7.72,105.58 7.72,110.55
  Bottom w0.25: 10.07,6.05 U55.6 12.07,6.58 12.8,7.3 35.12,7.3 ; C131.1 U31.6 61.67,44.56 60.6,45.63 ; 248.82,7.3 272.52,7.3 ; 248.82,7.3 225,7.3 ; 248.82,7.3 249.57,6.55 U61.6 C161.1 ; 272.52,7.3 298.65,7.3 ; 272.52,7.3 273.32,6.5 U62.6 C162.1 ; C137.1 U37.6 ; 298.65,7.3 317.65,7.3 ; 298.65,7.3 299.45,6.5 U70.6 297.48,6.05 ; C150.1 U50.6 ; C144.1 U44.6 ; 58.88,7.3 59.58,6.6 U57.6 57.58,6.05 ; 58.88,7.3 35.12,7.3 ; 58.88,7.3 130.1,7.3 ; 98.65,45.63 99.67,44.61 U33.6 C133.1 ; 98.65,45.63 79.65,45.63 ; 98.65,45.63 117.6,45.63 ; 223.82,6.05 U60.6 225.82,6.47 225,7.3 ; 37.5,64.35 56.45,64.35 ; 37.5,64.35 15,64.35 ; 37.5,64.35 38.2,63.65 U16.6 C116.1 ; 56.45,64.35 75.55,64.35 ; 56.45,64.35 57.2,63.6 U17.6 C117.1 ; 10.07,25.05 U42.6 ; C191.1 U91.6 47.7,111.15 46.95,111.9 ; C159.1 U59.6 202.07,6.53 201.3,7.3 ; v1(172.7,3.7) J4.4 ; 7.72,110.55 U90.6 ; 75.55,64.35 94.45,64.35 ; 75.55,64.35 76.2,63.7 U18.6 C118.1 ; C122.1 U22.6 152.2,63.6 151.45,64.35 ; 246.4,64.35 260.3,64.35 262.85,66.9 285,66.9 287,64.9 v1(288.65,64.9) ; 246.4,64.35 227.45,64.35 ; 246.4,64.35 247.2,63.55 U27.6 C127.1 ; 83.72,82.05 U5.6 ; 174.65,45.65 175.67,44.63 175.67,44.07 ; 316.48,6.05 U71.6 318.45,6.5 317.65,7.3 ; 208.45,64.35 227.45,64.35 ; 208.45,64.35 189.45,64.35 ; 208.45,64.35 209.2,63.6 U25.6 C125.1 ; 227.45,64.35 228.2,63.6 U26.6 C126.1 ; 79.65,45.63 80.67,44.61 U32.6 C132.1 ; 79.65,45.63 60.6,45.63 ; 250.09,45.63 264.08,45.63 271.32,52.88 C128.1 U28.6 ; 250.09,45.63 231.65,45.63 ; 250.09,45.63 U41.6 C141.1 ; 155.6,45.63 156.67,44.56 U36.6 C136.1 ; 155.6,45.63 136.6,45.63 ; 155.6,45.63 231.65,45.63 ; C147.1 U47.6 ; 83.72,110.55 U93.6 85.7,111.15 84.95,111.9 ; 213.67,44.07 213.67,44.63 212.65,45.65 ; 317.65,7.3 336.2,7.3 U72.6 335.48,6.05 ; 94.45,64.35 113.5,64.35 ; 94.45,64.35 95.2,63.6 U19.6 93.22,63.05 ; 113.5,64.35 114.2,63.65 U20.6 112.22,63.05 ; 113.5,64.35 132.45,64.35 ; C145.1 U45.6 ; C199.1 U99.6 ; 130.1,7.3 130.82,6.58 U58.6 C158.1 ; 130.1,7.3 v1(172.7,7.3) 201.3,7.3 ; 297.48,110.55 U103.6 ; 170.4,111.9 171.15,111.15 171.15,110.55 ; 136.6,45.63 137.67,44.56 U35.6 C135.1 ; 136.6,45.63 117.6,45.63 ; 189.45,64.35 190.2,63.6 U24.6 C124.1 ; 189.45,64.35 170.45,64.35 ; 121.72,82.05 U7.6 ; C130.1 U30.6 43.02,44.56 41.95,45.63 ; 231.65,45.63 232.67,44.61 U40.6 C140.1 ; 35.12,7.3 35.83,6.6 U56.6 C156.1 ; C138.1 U38.6 ; C1101.1 U101.6 ; C153.1 U53.6 ; 152.15,110.55 152.15,111.15 151.4,111.9 ; C108.1 U8.6 ; C139.1 U39.6 ; R19.1 R20.1 342.6,27.02 IC1.14 ; 132.45,111.9 133.2,111.15 U95.6 C195.1 ; 189.45,111.9 190.2,111.15 U98.6 C198.1 ; 7.72,82.05 U1.6 ; C102.1 U2.6 ; C114.1 U14.6 ; 41.95,45.63 60.6,45.63 ; 41.95,45.63 36.63,45.63 35.7,44.7 23.63,44.7 22.83,45.5 17.75,45.5 16.82,44.58 U29.6 C129.1 ; 15,64.35 v1(13.55,64.35) ; 15,64.35 14.45,63.8 U15.6 12.47,63.05 ; 201.3,7.3 225,7.3 ; 335.48,63.05 U68.6 336.15,64.35 317.7,64.35 ; C148.1 U48.6 ; 102.72,82.05 U6.6 ; 131.22,63.05 U21.6 133.2,63.6 132.45,64.35 ; 317.7,64.35 298.15,64.35 297.6,64.9 ; 317.7,64.35 318.45,63.6 U67.6 316.48,63.05 ; 296.93,83.3 297.48,82.75 297.48,82.05 U63.6 ; v1(292.75,64.9) 297.6,64.9 ; 297.6,64.9 U66.6 297.48,63.05 ; C196.1 U96.6 ; C123.1 U23.6 171.2,63.6 170.45,64.35 ; 117.6,45.63 118.67,44.56 U34.6 C134.1 ; 151.45,64.35 170.45,64.35 ; 151.45,64.35 132.45,64.35 ; 65.95,111.9 66.7,111.15 U92.6 C192.1 ; C154.1 U54.6 ; C109.1 U9.6 ; C149.1 U49.6 ; 194.72,44.07 194.72,44.63 193.7,45.65 ; C197.1 U97.6 ; C1100.1 U100.6 ; 335.48,82.05 U65.6 ; C104.1 U4.6 ; 31.48,25.05 U43.6 ; v1(2.8,66.3) J6.4 ; C113.1 U13.6 ; 316.48,25.05 U69.6 ; 316.48,110.55 U104.6 ; C111.1 U11.6 ; 335.48,110.55 U105.6 ; 102.72,110.55 U94.6 104.7,111.15 103.95,111.9 ; C151.1 U51.6 ; 316.48,82.05 U64.6 ; C112.1 U12.6 ; 273.73,110.55 U102.6 ; C146.1 U46.6 ; C103.1 U3.6 ; C152.1 U52.6 ; C110.1 U10.6
  Bottom w0.3: J7.5 175.88,95.02 v1(174.7,96.2) ; U10.6 180.7,82.65 180.05,83.3 ; U101.6 256.7,111.15 255.95,111.9 ; U2.6 28.7,82.7 28.1,83.3 ; 32.65,26.35 51.65,26.35 ; 32.65,26.35 12.82,26.35 12.07,25.6 U42.6 ; 32.65,26.35 33.45,25.55 U43.6 ; 51.65,26.35 70.7,26.35 ; 51.65,26.35 52.45,25.55 U44.6 ; U47.6 109.45,25.6 108.7,26.35 ; J3.4 351.15,35.25 349.8,33.9 ; U9.6 161.7,82.75 161.15,83.3 ; 203.65,26.35 204.45,25.55 U52.6 ; 203.65,26.35 184.75,26.35 ; 203.65,26.35 222.7,26.35 ; 339,27.7 340.82,29.52 IC1.14 ; 339,27.7 338.4,27.1 337,27.1 336.25,26.35 331.62,26.35 ; 339,27.7 345.2,33.9 349.8,33.9 ; 236.95,111.9 237.7,111.15 U100.6 ; 236.95,111.9 217.95,111.9 ; 236.95,111.9 255.95,111.9 ; 275,111.9 298.75,111.9 ; 275,111.9 275.7,111.2 U102.6 ; 275,111.9 255.95,111.9 ; v1(288.65,26.35) 317.65,26.35 ; v1(288.65,26.35) 288.65,55.45 ; v1(288.65,26.35) 257.77,26.35 ; 317.65,26.35 318.45,25.55 U69.6 ; 317.65,26.35 331.62,26.35 ; U45.6 71.45,25.6 70.7,26.35 ; U46.6 90.45,25.55 89.65,26.35 ; U203.1 322.4,47.65 320.82,49.23 R9.1 317.45,49.55 315.6,51.4 301.85,51.4 ; 104,83.3 123.05,83.3 ; 104,83.3 85.05,83.3 ; 104,83.3 104.7,82.6 U6.6 ; 123.05,83.3 142,83.3 ; 123.05,83.3 123.7,82.65 U7.6 ; 317.75,83.3 318.45,82.6 U64.6 ; 317.75,83.3 336.75,83.3 337.45,82.6 U65.6 ; 317.75,83.3 v1(292.75,83.3) ; U103.6 299.45,111.2 298.75,111.9 ; U104.6 318.45,111.15 317.7,111.9 ; 142,83.3 142.7,82.6 U8.6 ; 142,83.3 161.15,83.3 ; 85.05,83.3 85.7,82.65 U5.6 ; 85.05,83.3 66.05,83.3 ; 28.1,83.3 10.15,83.3 9.7,82.85 U1.6 ; 28.1,83.3 47.05,83.3 ; 331.62,26.35 JP1.2 ; U48.6 128.45,25.6 127.7,26.35 ; 70.7,26.35 89.65,26.35 ; 298.75,111.9 317.7,111.9 ; 47.05,83.3 66.05,83.3 ; 47.05,83.3 47.7,82.65 U3.6 ; 257.77,26.35 U54.6 ; 257.77,26.35 222.7,26.35 ; 180.05,83.3 199.05,83.3 ; 180.05,83.3 161.15,83.3 ; 237.2,83.3 265.5,83.3 ; 237.2,83.3 218.1,83.3 ; 237.2,83.3 237.7,82.8 U13.6 ; 265.5,83.3 266.2,82.6 U14.6 ; 265.5,83.3 v1(288.65,83.3) ; U51.6 185.45,25.65 184.75,26.35 ; 146.7,26.35 165.65,26.35 ; 146.7,26.35 147.45,25.6 U49.6 ; 146.7,26.35 127.7,26.35 ; 165.65,26.35 184.75,26.35 ; 165.65,26.35 166.45,25.55 U50.6 ; 317.7,111.9 336.8,111.9 337.45,111.25 U105.6 ; 199.05,83.3 218.1,83.3 ; 199.05,83.3 199.7,82.65 U11.6 ; 66.05,83.3 66.7,82.65 U4.6 ; 218.1,83.3 218.7,82.7 U12.6 ; 349.8,33.9 349.8,31.83 ; 301.85,51.4 292.7,51.4 288.65,55.45 ; 301.85,51.4 DL1.2 ; v1(288.65,83.3) 288.65,55.45 ; v1(288.65,83.3) 288.65,95.15 282.75,101.05 207.65,101.05 203.95,104.75 203.95,111 v1(203.05,111.9) v1(183.5,111.9) 10.45,111.9 9.7,111.15 U90.6 ; 288.65,55.45 288.05,54.85 274.62,54.85 U28.6 ; U99.6 218.7,111.15 217.95,111.9 ; 89.65,26.35 108.7,26.35 ; 222.7,26.35 223.45,25.6 U53.6 ; v1(211.4,111.9) 217.95,111.9 ; 127.7,26.35 108.7,26.35 ; v1(179.3,123.1) J5.4
